# Altium PCB SoBQ.PcbDoc (part 1 of 4)
Units mil, origin at the board's own origin, x right, y up, seen from the top; angles counter-clockwise.
Board outline 16169.25 x 5124.03 mil, 2 copper layers (L1, L2), stack 62.8 mil thick; 313 components, 247 nets, 1579 pads, 489 vias.
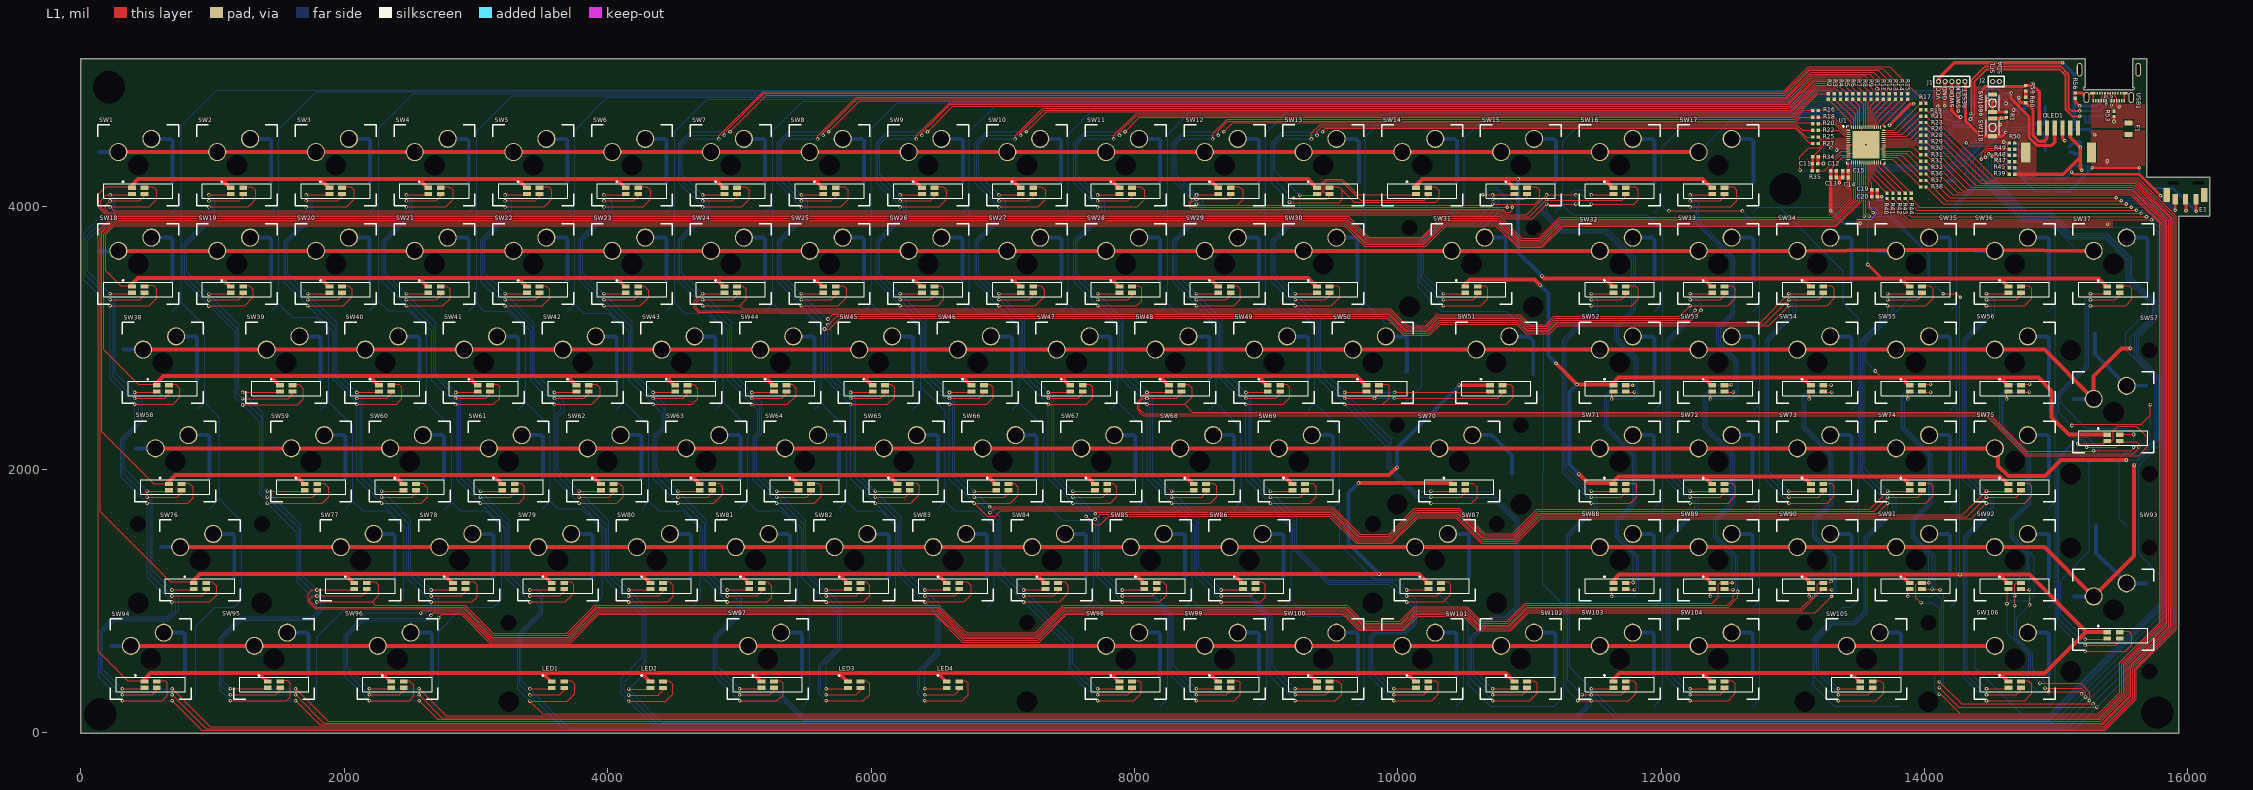
[diagram p0: L1 view]
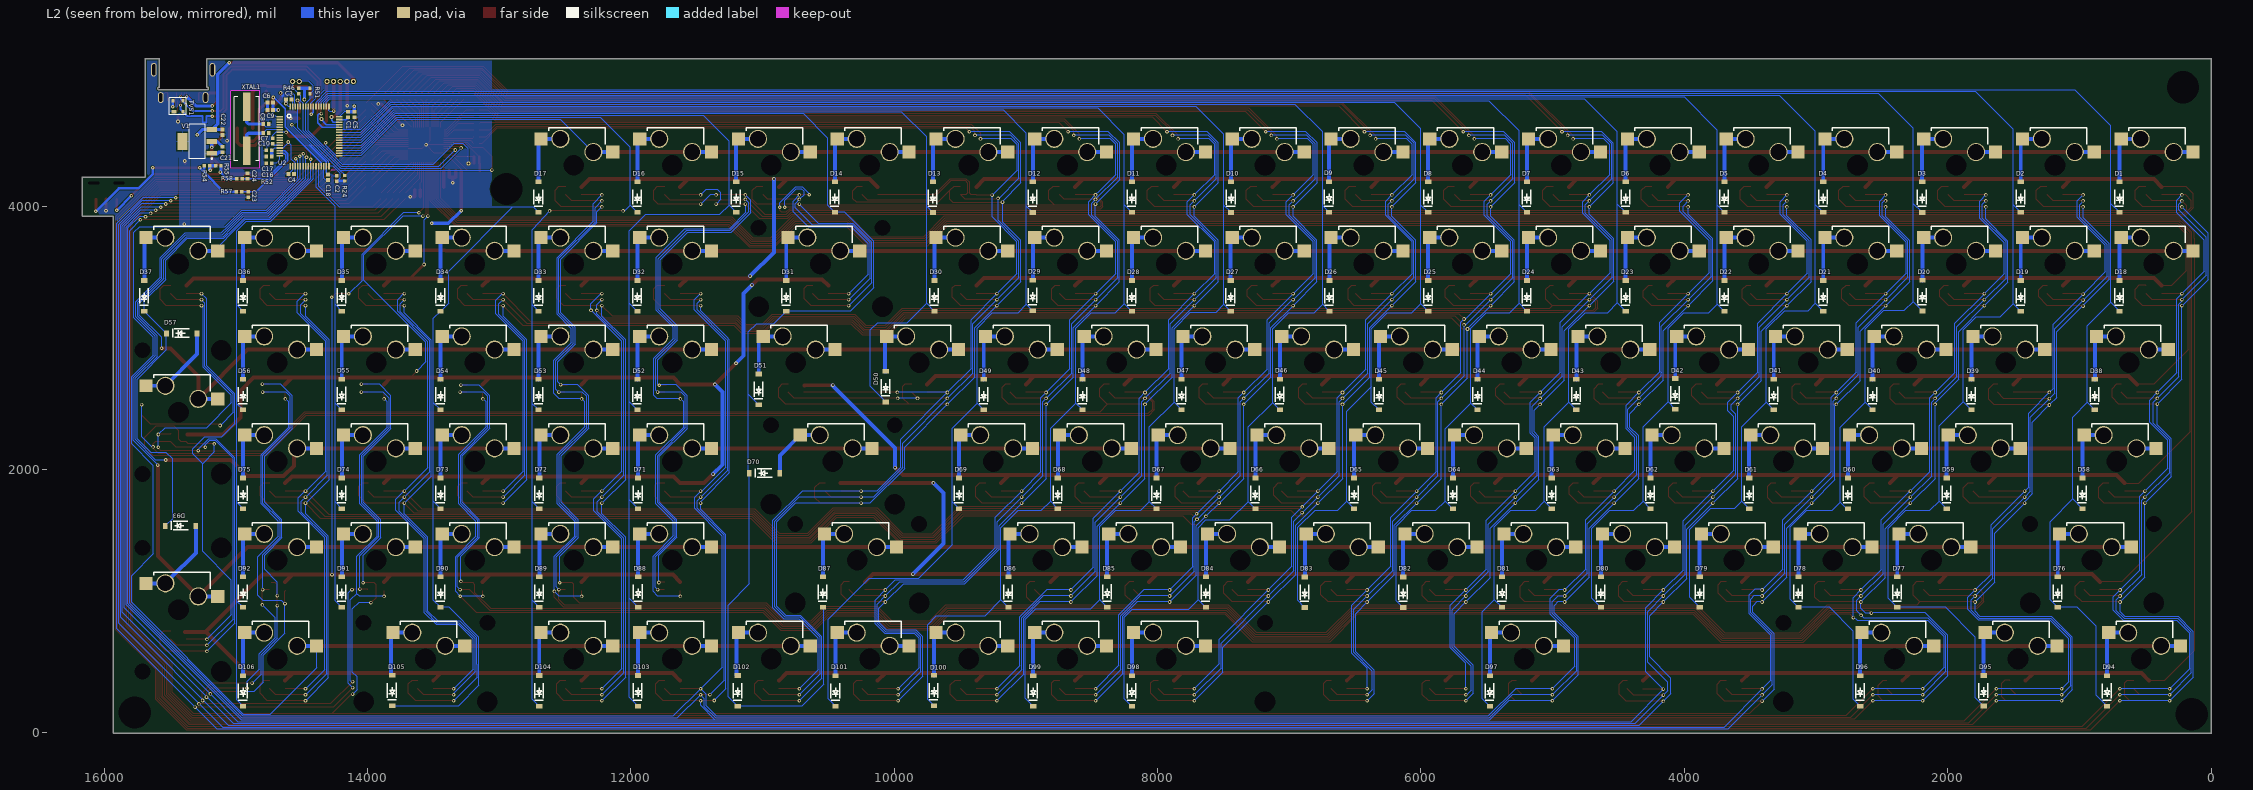
[diagram p1: L2 view, seen from below]

## Layer stack, top to bottom
Top Solder: solder mask 0.1, Solder Resist, Dk 0
L1: signal copper 1.4
Core: dielectric 60, FR-4, Dk 4.6
L2: signal copper 1.4
Bottom Solder: solder mask 0.1, Solder Resist, Dk 0

## Board outline
-2.52,0.04 ccw(c0,0) 0,-2.51 15928,-2.51 ccw(c15928,0) 15930.52,0 15930.51,3924.49 16164.22,3924.49 ccw(c16164.22,3927) 16166.74,3927 16166.74,4218 ccw(c16164.22,4218) 16164.22,4220.51 15689.2,4220.51 15689.2,5119 ccw(c15686.69,5119) 15686.69,5121.52 15583.64,5121.52 ccw(c15583.64,5119) 15581.12,5119 15581.12,4906.24 ccw(c15583.64,4906.24) 15583.64,4903.72 cw(c15583.64,4894.43) 15592.93,4894.43 cw(c15583.64,4894.43) 15583.64,4885.13 15217.5,4885.13 cw(c15217.5,4894.43) 15217.5,4903.72 ccw(c15217.5,4906.24) 15220.01,4906.24 15220.01,5119 ccw(c15217.5,5119) 15217.5,5121.52 0,5121.52 cw(c0,5119) 0,5121.52 ccw(c0,5119) -2.52,5119

## Design rules (kind name [scope] priority, off if disabled: settings)
BoardOutlineClearance [All] p1: gap=15 ignorepadtopadclearanceinfootprint=FALSE
Clearance [All] p1: gap=6 ignorepadtopadclearanceinfootprint=FALSE except(0: Arc-Hole Track-Hole SMDPad-Hole THPad-Hole Via-Hole Fill-Hole Poly-Hole Region-Hole Text-Hole)
ComponentClearance [All] p1: gap=0 collisioncheckmode=3 verticalgap=1 showdistances=FALSE
DiffPairsRouting [All] p1: maxlimit=393.7 minlimit=6 mostfreqgap=8 toplayer_minwidth=6 toplayer_maxwidth=15 toplayer_prefwidth=8 bottomlayer_minwidth=6 bottomlayer_maxwidth=15 bottomlayer_prefwidth=8 maxuncoupledlength=500
HoleSize [All] p1: absolutevalues=TRUE maxlimit=265 minlimit=10 maxpercent=80.000 minpercent=20.000
HoleToHoleClearance [All] p1: gap=10 allowstackedmicrovias=FALSE
MinimumAnnularRing [All] p1: minimumring=5
MinimumSolderMaskSliver [All] p1: minsoldermaskwidth=0
PlaneClearance [All] p1: clearance=10
PlaneConnect [All] p1: planeconnectstyle=Direct reliefexpansion=16 reliefentries=4 reliefconductorwidth=6 reliefairgap=6
PolygonConnect PolygonConnect_1 [InNet('NetF1_1')] p1: thpad.connectstyle=Relief thpad.reliefconductorwidth=10 thpad.reliefentries=4 thpad.polygonreliefangle="90 Angle" thpad.airgapwidth=10 smdpad.connectstyle=Relief smdpad.reliefconductorwidth=10 smdpad.reliefentries=4 smdpad.polygonreliefangle="90 Angle" smdpad.airgapwidth=10 via.connectstyle=Direct via.reliefconductorwidth=10 via.reliefentries=4 via.polygonreliefangle="90 Angle" via.airgapwidth=10
PolygonConnect 5V [InNet('5V')] p2: thpad.connectstyle=Relief thpad.reliefconductorwidth=10 thpad.reliefentries=4 thpad.polygonreliefangle="90 Angle" thpad.airgapwidth=10 smdpad.connectstyle=Relief smdpad.reliefconductorwidth=10 smdpad.reliefentries=4 smdpad.polygonreliefangle="90 Angle" smdpad.airgapwidth=10 via.connectstyle=Direct via.reliefconductorwidth=10 via.reliefentries=4 via.polygonreliefangle="90 Angle" via.airgapwidth=10
PolygonConnect 3V3 [InNet('3V3')] p3: thpad.connectstyle=Relief thpad.reliefconductorwidth=10 thpad.reliefentries=4 thpad.polygonreliefangle="90 Angle" thpad.airgapwidth=10 smdpad.connectstyle=Relief smdpad.reliefconductorwidth=10 smdpad.reliefentries=4 smdpad.polygonreliefangle="90 Angle" smdpad.airgapwidth=10 via.connectstyle=Direct via.reliefconductorwidth=10 via.reliefentries=4 via.polygonreliefangle="90 Angle" via.airgapwidth=10
PolygonConnect "GND via" [InNet('GND')] p4: thpad.connectstyle=Direct thpad.reliefconductorwidth=10 thpad.reliefentries=4 thpad.polygonreliefangle="90 Angle" thpad.airgapwidth=10 smdpad.connectstyle=Relief smdpad.reliefconductorwidth=10 smdpad.reliefentries=4 smdpad.polygonreliefangle="90 Angle" smdpad.airgapwidth=10 via.connectstyle=Direct via.reliefconductorwidth=10 via.reliefentries=4 via.polygonreliefangle="90 Angle" via.airgapwidth=10
PolygonConnect [All] p5: connectstyle=Relief reliefconductorwidth=8 reliefentries=4 polygonreliefangle="90 Angle" airgapwidth=6
RoutingCorners [All] p1: cornerstyle=45-Degree minsetback=49.21 maxsetback=49.21
RoutingVias [All] p1: holewidth=15 width=30 viastyle="Through Hole" minholewidth=13 minwidth=27 maxholewidth=100 maxwidth=114
SilkToSilkClearance [All] p1: silktosilkclearance=0
SilkToSolderMaskClearance [IsPad] p1: minsilkscreentomaskgap=6 clearancetoexposedcopper=TRUE
SolderMaskExpansion [All] p1: expansion=2.95
Width [All] p1: maxlimit=400 minlimit=6 preferedwidth=8
20 further rules are at their usual default settings.

## Classes and differential pairs
component class LED: LED1 LED2 LED3 LED4
component class MCU: C1 C2 C3 C4 C5 C6 C7 C8 C9 C10 C11 C12 C13 C14 C15 C16 C17 C18 C19 C20 C21 C22 C23 C24 E1 F1 J1 J2 OLED1 R1 R2 R3 R4 R5 R6 R7 R8 R9 R10 R11 R12 R13 R14 R15 R16 R17 R18 R19 R20 R21 R22 R23 R24 R25 R26 R27 R28 R29 R30 R31 R32 R33 R34 R35 R36 R37 R38 R39 R40 R41 R42 R43 R44 R45 R46 R47 R48 R49 R50 R51 R52 R53 R54 R55 R56 R57 R58 R59 R60 SW109 SW110 TVS1 U1 U2 USB1 V1 XTAL1
component class switches: D1 D2 D3 D4 D5 D6 D7 D8 D9 D10 D11 D12 D13 D14 D15 D16 D17 D18 D19 D20 D21 D22 D23 D24 D25 D26 D27 D28 D29 D30 D31 D32 D33 D34 D35 D36 D37 D38 D39 D40 D41 D42 D43 D44 D45 D46 D47 D48 D49 D50 D51 D52 D53 D54 D55 D56 D57 D58 D59 D60 D61 D62 D63 D64 D65 D66 D67 D68 D69 D70 D71 D72 D73 D74 D75 D76 D77 D78 D79 D80 D81 D82 D83 D84 D85 D86 D87 D88 D89 D90 D91 D92 D93 D94 D95 D96 D97 D98 D99 D100 D101 D102 D103 D104 D105 D106 SW1 SW2 SW3 SW4 SW5 SW6 SW7 SW8 SW9 SW10 SW11 SW12 SW13 SW14 SW15 SW16 SW17 SW18 SW19 SW20 SW21 SW22 SW23 SW24 SW25 SW26 SW27 SW28 SW29 SW30 SW31 SW32 SW33 SW34 SW35 SW36 SW37 SW38 SW39 SW40 SW41 SW42 SW43 SW44 SW45 SW46 SW47 SW48 SW49 SW50 SW51 SW52 SW53 SW54 SW55 SW56 SW57 SW58 SW59 SW60 SW61 SW62 SW63 SW64 SW65 SW66 SW67 SW68 SW69 SW70 SW71 SW72 SW73 SW74 SW75 SW76 SW77 SW78 SW79 SW80 SW81 SW82 SW83 SW84 SW85 SW86 SW87 SW88 SW89 SW90 SW91 SW92 SW93 SW94 SW95 SW96 SW97 SW98 SW99 SW100 SW101 SW102 SW103 SW104 SW105 SW106
differential pair D: +D_P -D_N

## Components (designator, comment, footprint, x,y, rotation, side; value= is the part's Value field where it differs from the comment)
C1 "10uF 6.3V X5R Ceramic" 0402_L_C 14149.5,4696.11 r90 bottom value=10uF
C2 "0u1F 16V X7R" 0402_L_C 14234.34,4210 r270 bottom value=0.1uF
C3 "0u1F 16V X7R" 0402_L_C 14598.5,4812 r0 bottom value=0.1uF
C4 "0u1F 16V X7R" 0402_L_C 14579.14,4246 r180 bottom value=0.1uF
C5 "0u1F 16V X7R" 0402_L_C 14098.5,4696 r90 bottom value=0.1uF
C6 "0u1F 16V X7R" 0402_L_C 14738.63,4787 r180 bottom value=0.1uF
C7 "30pF 50V np0" 0402_L_C 14772.5,4555.24 r180 bottom value=100pF
C8 "30pF 50V np0" 0402_L_C 14772.5,4624.87 r180 bottom value=100pF
C9 "0u1F 16V X7R" 0402_L_C 14738.63,4732 r180 bottom value=0.1uF
C10 "0u1F 16V X7R" 0402_L_C 14719.5,4496 r90 bottom value=0.1uF
C11 "1uF 25V X5R" 0402_L_C 13169.42,4323.49 r0 top value=1uF
C12 "1uF 25V X5R" 0402_L_C 13310.3,4269.85 r180 top value=1uF
C13 "0u1F 16V X7R" 0402_L_C 13310.3,4219.59 r180 top value=0.1uF
C14 "1uF 25V X5R" 0402_L_C 13399.42,4219.64 r0 top value=1uF
C15 "0u1F 16V X7R" 0402_L_C 13399.42,4269.9 r0 top value=0.1uF
C16 "1uF 25V X5R" 0402_L_C 14747.53,4377.98 r180 bottom value=1uF
C17 "0u1F 16V X7R" 0402_L_C 14747.53,4426 r180 bottom value=0.1uF
C18 "4.7uF 10V X5R Ceramic" 0402_L_C 14299.5,4220.13 r270 bottom value=4.7uF
C19 "1uF 25V X5R" 0402_L_C 13621.5,4126 r180 top value=1uF
C20 "0u1F 16V X7R" 0402_L_C 13621.5,4072.63 r180 top value=0.1uF
C21 "10uF 6.3V X5R Ceramic" 0402_L_C 15101.18,4432 r90 bottom value=10uF
C22 "0u1F 16V X7R" 0402_L_C 15101.18,4561.84 r90 bottom value=0.1uF
C23 "0u1F 16V X7R" 0402_L_C 14906,4088.41 r90 bottom value=0.1uF
C24 "0u1F 16V X7R" 0402_L_C 14911,4230.75 r270 bottom value=0.1uF
D1 "1N4148WTR" SOD-123 695.29,4069.86 r90 bottom
D2 "1N4148WTR" SOD-123 1445.29,4069.86 r90 bottom
D3 "1N4148WTR" SOD-123 2194,4069 r90 bottom
D4 "1N4148WTR" SOD-123 2945.29,4069.86 r90 bottom
D5 "1N4148WTR" SOD-123 3695.29,4069.86 r90 bottom
D6 "1N4148WTR" SOD-123 4445.29,4069.86 r90 bottom
D7 "1N4148WTR" SOD-123 5195.29,4069.86 r90 bottom
D8 "1N4148WTR" SOD-123 5945.29,4069.86 r90 bottom
D9 "1N4148WTR" SOD-123 6698,4071 r90 bottom
D10 "1N4148WTR" SOD-123 7442,4069 r90 bottom
D11 "1N4148WTR" SOD-123 8195.29,4069.86 r90 bottom
D12 "1N4148WTR" SOD-123 8948,4069 r90 bottom
D13 "1N4148WTR" SOD-123 9706,4069 r90 bottom
D14 "1N4148WTR" SOD-123 10450.79,4069.86 r90 bottom
D15 "1N4148WTR" SOD-123 11200.79,4069.86 r90 bottom
D16 "1N4148WTR" SOD-123 11950.79,4069.86 r90 bottom
D17 "1N4148WTR" SOD-123 12700.79,4069.86 r90 bottom
D18 "1N4148WTR" SOD-123 695.29,3319.86 r90 bottom
D19 "1N4148WTR" SOD-123 1445.29,3319.86 r90 bottom
D20 "1N4148WTR" SOD-123 2192,3321 r90 bottom
D21 "1N4148WTR" SOD-123 2945.29,3319.86 r90 bottom
D22 "1N4148WTR" SOD-123 3695.29,3319.86 r90 bottom
D23 "1N4148WTR" SOD-123 4445.29,3319.86 r90 bottom
D24 "1N4148WTR" SOD-123 5195.29,3319.86 r90 bottom
D25 "1N4148WTR" SOD-123 5945.29,3319.86 r90 bottom
D26 "1N4148WTR" SOD-123 6695.29,3319.86 r90 bottom
D27 "1N4148WTR" SOD-123 7445.29,3319.86 r90 bottom
D28 "1N4148WTR" SOD-123 8195.29,3319.86 r90 bottom
D29 "1N4148WTR" SOD-123 8948,3323 r90 bottom
D30 "1N4148WTR" SOD-123 9695.29,3319.86 r90 bottom
D31 "1N4148WTR" SOD-123 10820.29,3319.86 r90 bottom
D32 "1N4148WTR" SOD-123 11950.79,3319.86 r90 bottom
D33 "1N4148WTR" SOD-123 12700.79,3319.86 r90 bottom
D34 "1N4148WTR" SOD-123 13445.29,3319.86 r90 bottom
D35 "1N4148WTR" SOD-123 14195.29,3319.86 r90 bottom
D36 "1N4148WTR" SOD-123 14945.29,3319.86 r90 bottom
D37 "1N4148WTR" SOD-123 15695.29,3319.86 r90 bottom
D38 "1N4148WTR" SOD-123 882.79,2569.86 r90 bottom
D39 "1N4148WTR" SOD-123 1820.29,2569.86 r90 bottom
D40 "1N4148WTR" SOD-123 2570.29,2569.86 r90 bottom
D41 "1N4148WTR" SOD-123 3321,2571 r90 bottom
D42 "1N4148WTR" SOD-123 4069,2576 r90 bottom
D43 "1N4148WTR" SOD-123 4820.29,2569.86 r90 bottom
D44 "1N4148WTR" SOD-123 5570.29,2569.86 r90 bottom
D45 "1N4148WTR" SOD-123 6318,2570 r90 bottom
D46 "1N4148WTR" SOD-123 7071,2571 r90 bottom
D47 "1N4148WTR" SOD-123 7818,2571 r90 bottom
D48 "1N4148WTR" SOD-123 8570,2570 r90 bottom
D49 "1N4148WTR" SOD-123 9320.29,2569.86 r90 bottom
D50 "1N4148WTR" SOD-123 10064,2630 r90 bottom
D51 "1N4148WTR" SOD-123 11029,2610 r90 bottom
D52 "1N4148WTR" SOD-123 11950.79,2569.86 r90 bottom
D53 "1N4148WTR" SOD-123 12700.79,2569.86 r90 bottom
D54 "1N4148WTR" SOD-123 13445.29,2569.86 r90 bottom
D55 "1N4148WTR" SOD-123 14196,2571 r90 bottom
D56 "1N4148WTR" SOD-123 14945.29,2569.86 r90 bottom
D57 "1N4148WTR" SOD-123 15411,3034 r180 bottom
D58 "1N4148WTR" SOD-123 976.54,1819.86 r90 bottom
D59 "1N4148WTR" SOD-123 2007.79,1819.86 r90 bottom
D60 "1N4148WTR" SOD-123 2757.79,1819.86 r90 bottom
D61 "1N4148WTR" SOD-123 3507.79,1819.86 r90 bottom
D62 "1N4148WTR" SOD-123 4257.79,1819.86 r90 bottom
D63 "1N4148WTR" SOD-123 5007.79,1819.86 r90 bottom
D64 "1N4148WTR" SOD-123 5757.79,1819.86 r90 bottom
D65 "1N4148WTR" SOD-123 6507.79,1819.86 r90 bottom
D66 "1N4148WTR" SOD-123 7257.79,1819.86 r90 bottom
D67 "1N4148WTR" SOD-123 8007.79,1819.86 r90 bottom
D68 "1N4148WTR" SOD-123 8757.79,1819.86 r90 bottom
D69 "1N4148WTR" SOD-123 9507.79,1819.86 r90 bottom
D70 "1N4148WTR" SOD-123 10985,1973 r180 bottom
D71 "1N4148WTR" SOD-123 11945.29,1819.86 r90 bottom
D72 "1N4148WTR" SOD-123 12695.29,1819.86 r90 bottom
D73 "1N4148WTR" SOD-123 13445.29,1819.86 r90 bottom
D74 "1N4148WTR" SOD-123 14195.29,1819.86 r90 bottom
D75 "1N4148WTR" SOD-123 14945.29,1819.86 r90 bottom
D76 "1N4148WTR" SOD-123 1164.43,1069.86 r90 bottom
D77 "1N4148WTR" SOD-123 2383.29,1069.86 r90 bottom
D78 "1N4148WTR" SOD-123 3133.29,1069.86 r90 bottom
D79 "1N4148WTR" SOD-123 3883.29,1069.86 r90 bottom
D80 "1N4148WTR" SOD-123 4633.29,1069.86 r90 bottom
D81 "1N4148WTR" SOD-123 5384,1071 r90 bottom
D82 "1N4148WTR" SOD-123 6135,1069 r90 bottom
D83 "1N4148WTR" SOD-123 6882,1069 r90 bottom
D84 "1N4148WTR" SOD-123 7633.29,1069.86 r90 bottom
D85 "1N4148WTR" SOD-123 8383,1071 r90 bottom
D86 "1N4148WTR" SOD-123 9133.29,1069.86 r90 bottom
D87 "1N4148WTR" SOD-123 10541.79,1069.86 r90 bottom
D88 "1N4148WTR" SOD-123 11945,1071 r90 bottom
D89 "1N4148WTR" SOD-123 12695.29,1069.86 r90 bottom
D90 "1N4148WTR" SOD-123 13445.29,1069.86 r90 bottom
D91 "1N4148WTR" SOD-123 14195.29,1069.86 r90 bottom
D92 "1N4148WTR" SOD-123 14945.29,1069.86 r90 bottom
D93 "1N4148WTR" SOD-123 15420,1573 r180 bottom
D94 "1N4148WTR" SOD-123 789.42,319.86 r90 bottom
D95 "1N4148WTR" SOD-123 1727,321 r90 bottom
D96 "1N4148WTR" SOD-123 2664.42,319.86 r90 bottom
D97 "1N4148WTR" SOD-123 5476.54,319.86 r90 bottom
D98 "1N4148WTR" SOD-123 8195.29,319.86 r90 bottom
D99 "1N4148WTR" SOD-123 8945.29,319.86 r90 bottom
D100 "1N4148WTR" SOD-123 9698,322 r90 bottom
D101 "1N4148WTR" SOD-123 10445.29,319.86 r90 bottom
D102 "1N4148WTR" SOD-123 11189,320 r90 bottom
D103 "1N4148WTR" SOD-123 11946,320 r90 bottom
D104 "1N4148WTR" SOD-123 12696,320 r90 bottom
D105 "1N4148WTR" SOD-123 13813,323 r90 bottom
D106 "1N4148WTR" SOD-123 14945.29,319.86 r90 bottom
E1 "PEC12R-3xxxF-Sxxxx" EC05E1220202 15983.26,4172.11 r0 top
F1 "0ZCK0050AF2E" 0ZCK0050AF2E 15548.5,4588 r270 top
J1 "SWD header 5 Pin" "SWD 5 PIN" 14207.5,4948 r0 top
J2 "2 Pin Header" "2 PIN HEADER" 14543.5,4948 r180 top
LED1 "ASMB-MTB0-0A3A2" "SMD LED" 3623,366.49 r0 top
LED2 "ASMB-MTB0-0A3A2" "SMD LED" 4373,366.49 r0 top
LED3 "ASMB-MTB0-0A3A2" "SMD LED" 5873,366.49 r0 top
LED4 "ASMB-MTB0-0A3A2" "SMD LED" 6623,366.49 r0 top
OLED1 "OLED MONO 128x32" 5025850670 15019,4500.89 r0 top
R1 "10K" 0402_L 14620,4695.04 r270 top
R2 "20" 0402_L 13269.5,4834 r90 top
R3 "20" 0402_L 13315.88,4834 r90 top
R4 "51" 0402_L 13362.26,4834 r90 top
R5 "20" 0402_L 13408.65,4834 r90 top
R6 "20" 0402_L 13455.03,4834 r90 top
R7 "51" 0402_L 13501.42,4834 r90 top
R8 "20" 0402_L 13547.8,4834 r90 top
R9 "20" 0402_L 13594.19,4834 r90 top
R10 "51" 0402_L 13640.57,4834 r90 top
R11 "20" 0402_L 13686.96,4834 r90 top
R12 "20" 0402_L 13733.34,4834 r90 top
R13 "51" 0402_L 13779.73,4834 r90 top
R14 "20" 0402_L 13826.11,4834 r90 top
R15 "20" 0402_L 13873.5,4834 r90 top
R16 "51" 0402_L 13171.39,4727.64 r180 top
R17 "51" 0402_L 13991.45,4782.85 r180 top
R18 "20" 0402_L 13171.39,4677.37 r180 top
R19 "20" 0402_L 13991.45,4733.92 r180 top
R20 "20" 0402_L 13171.39,4627.09 r180 top
R21 "20" 0402_L 13991.45,4685 r180 top
R22 "51" 0402_L 13171.39,4576.82 r180 top
R23 "51" 0402_L 13991.45,4636.08 r180 top
R24 "10K" 0402_L 14172.73,4213.1 r270 bottom
R25 "20" 0402_L 13171.39,4526.55 r180 top
R26 "20" 0402_L 13991.45,4587.15 r180 top
R27 "20" 0402_L 13171.39,4476.27 r180 top
R28 "20" 0402_L 13991.45,4538.23 r180 top
R29 "51" 0402_L 13991.45,4489.31 r180 top
R30 "20" 0402_L 13991.45,4440.39 r180 top
R31 "20" 0402_L 13991.45,4391.46 r180 top
R32 "51" 0402_L 13991.45,4342.54 r180 top
R33 "20" 0402_L 13991.45,4293.62 r180 top
R34 "10K" 0402_L 13171.39,4375.73 r0 top
R35 "10K" 0402_L 13168.24,4270 r180 top
R36 "20" 0402_L 13991.45,4244.69 r180 top
R37 "51" 0402_L 13991.45,4195.77 r180 top
R38 "20" 0402_L 13991.45,4146.85 r180 top
R39 "10K" 0402_L 14665.29,4244 r180 top
R40 "51" 0402_L 13715.39,4079.35 r270 top
R41 "20" 0402_L 13761.39,4079.35 r270 top
R42 "20" 0402_L 13807.39,4079.35 r270 top
R43 "51" 0402_L 13853.39,4079.35 r270 top
R44 "20" 0402_L 13899.39,4079.35 r270 top
R45 "10K" 0402_L 14665.29,4291.4 r180 top
R46 "10K" 0402_L 14523.34,4874.67 r90 bottom
R47 "10K" 0402_L 14665.29,4338.8 r180 top
R48 "10K" 0402_L 14665.29,4386.2 r180 top
R49 "10K" 0402_L 14665.29,4433.6 r180 top
R50 "10K" 0402_L 14665.29,4481 r180 top
R51 "10K" 0402_L 14436.72,4874.67 r90 bottom
R52 "10K" 0402_L 14749.5,4328 r180 bottom
R53 "5.1K" 0402_L 15439.5,4702 r90 top
R54 "10K" 0402_L 15219,4307 r180 bottom
R55 "10K" 0402_L 15133.12,4307 r0 bottom
R56 "5.1K" 0402_L 15145.17,4840 r90 top
R57 "10K" 0402_L 14976.4,4110.26 r180 bottom
R58 "10K" 0402_L 14972.4,4208.9 r180 bottom
R59 "10K" 0402_L 14770.5,4896.53 r270 top
R60 "10K" 0402_L 14770.16,4807 r90 top
SW1 "ESC" SWITCH_U1_W_LED 435,4312 r0 top
SW2 "F1" SWITCH_U1_W_LED 1185,4312 r0 top
SW3 "F2" SWITCH_U1_W_LED 1935,4312 r0 top
SW4 "F3" SWITCH_U1_W_LED 2685,4312 r0 top
SW5 "F4" SWITCH_U1_W_LED 3435,4312 r0 top
SW6 "F5" SWITCH_U1_W_LED 4185,4312 r0 top
SW7 "F6" SWITCH_U1_W_LED 4935,4312 r0 top
SW8 "F7" SWITCH_U1_W_LED 5685,4312 r0 top
SW9 "F8" SWITCH_U1_W_LED 6435,4312 r0 top
SW10 "F9" SWITCH_U1_W_LED 7185,4312 r0 top
SW11 "F10" SWITCH_U1_W_LED 7935,4312 r0 top
SW12 "F11" SWITCH_U1_W_LED 8685,4312 r0 top
SW13 "F12" SWITCH_U1_W_LED 9435,4312 r0 top
SW14 "PRINT" SWITCH_U1_W_LED 10185,4312 r0 top
SW15 "SCROLL" SWITCH_U1_W_LED 10935,4312 r0 top
SW16 "PAUSE" SWITCH_U1_W_LED 11685,4312 r0 top